# Altium PCB PCB1.pcbdoc (part 2 of 2)
Units mil, origin at the board's own origin, x right, y up, seen from the top; angles counter-clockwise.
Board outline 3682.38 x 4447.01 mil, 4 copper layers (Top Layer, 地层, 电源层, Bottom Layer); 74 components, 104 nets, 354 pads, 217 vias.
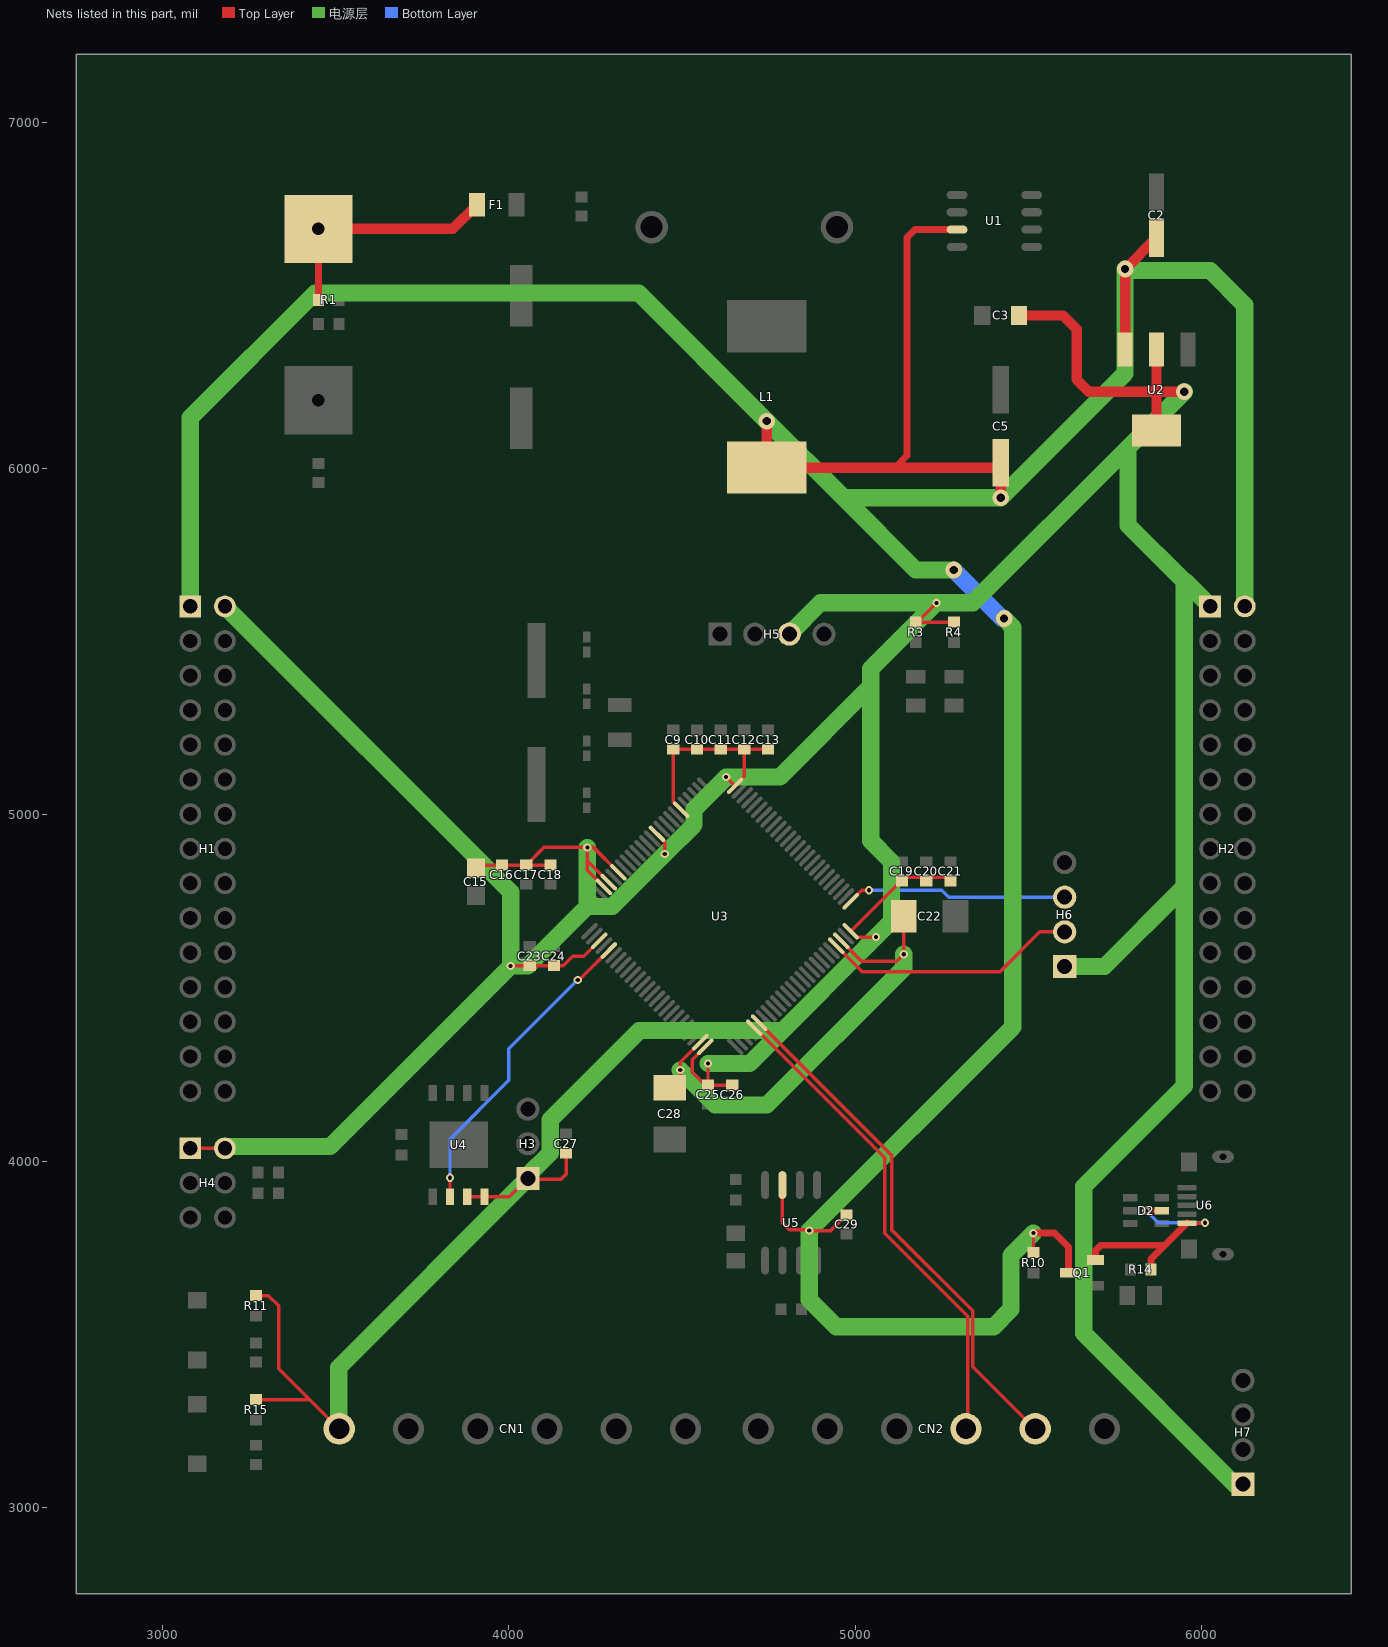
[diagram p4: the nets of this part, all layers, seen from the top]

## Via types
v1: diameter 24.02, hole 12.01, Top Layer to Bottom Layer, 207 vias
v2: diameter 48, hole 24, Top Layer to Bottom Layer, 6 vias
v3: diameter 24, hole 12, Top Layer to Bottom Layer, 3 vias
v4: diameter 36, hole 18, Top Layer to Bottom Layer, 1 vias

## Nets (pads, with @x,y where several pads share a name; then routed paths per layer and width w, separated by ;. In a path a pad name is that pad's centre, name@x,y a point inside that pad or via, vN(x,y) a via of type N, cw(c..) or ccw(c..) an arc to the next point about the centre after c; other vN are vias at no path point) (continued)
SPI1_SCK: U3.30 U4.6 | length 903.4
  Top Layer w10: U4.6@3830,3897.4 v1(3830,3952.01) ; v3(4198.8,4523.21) 4203.49,4523.21 U3.30@4288.46,4608.18
  Bottom Layer w10: v1(3830,3952.01) 3830,4063.32 4000,4233.32 4000,4324.4 v3(4198.8,4523.21)
SWCLK: H6.3 U3.76 | length 634.3
  Top Layer w10: U3.76@4987.21,4750.16 5019.07,4782.01 v1(5040,4782.01)
  Bottom Layer w10: v1(5040,4782.01) 5250,4782.01 5270,4762.01 H6.3@5600,4762.01
SWDIO: H6.2 U3.72 | length 733.3
  Top Layer w10: U3.72@4945.46,4622.11 5020.56,4547.01 5418.34,4547.01 5533.34,4662.01 H6.2@5600,4662.01
USART3_RX: CN2.5 U3.56 | length 1502.8
  Top Layer w10: U3.56@4722.21,4399.92 5105,4017.13 5105,3802.01 5339.02,3567.99 5339.02,3406.56 CN2.5@5518.57,3227.01
USART3_TX: CN2.4 U3.55 | length 1417.1
  Top Layer w10: U3.55@4708.31,4385.99 5085,4009.3 5085,3792.01 5325,3552.01 5325,3233.44 CN2.4@5318.57,3227.01
VBUS: D2.5 Q1.2 R14.2 U6.1 | length 690.2
  Top Layer w10: v1(5840.24,3857.01) D2.5@5885.24,3857.01 ; U6.1@5957.64,3820.83 6008.82,3820.83 v1(6010,3822.01)
  Top Layer w20: Q1.2@5694.37,3714.41 5694.37,3741.38 5710,3757.01 5889.54,3757.01 5891.68,3754.87 ; R14.2@5854.66,3687.01 5854.66,3717.85 5891.68,3754.87 ; U6.1@5957.64,3820.83 5891.68,3754.87
  Bottom Layer w10: v1(5840.24,3857.01) 5875.24,3822.01 v1(6010,3822.01)
VCAP: C22.1 C28.1 U3.49 U3.73 | length 1382.6
  Top Layer w10: C28.1@4465,4211.76 4495,4241.76 v1(4495,4262.96) 4495,4285.77 U3.49@4552.94,4343.71 ; U3.73@4959.37,4636.02 5018.39,4577.01 5120,4577.01 v1(5140.25,4597.26) C22.1@5140.25,4707.01
  电源层 w50: v1(4495,4262.96) 4595.95,4162.01 4745,4162.01 5140.25,4557.26 v1(5140.25,4597.26)
VCC3V3: C3.1 C9.2 C10.2 C11.2 C12.2 C13.2 C15.2 C16.2 C17.2 C18.2 C19.2 C20.2 C21.2 C23.2 C24.2 C25.2 C26.2 C27.2 CN1.1 H1.2 H2.1 H3.1 H4.1 H4.2 H5.3 H6.1 H7.1 R3.1 R4.1 R11.2 R15.2 U2.2 U2.4 U3.6 U3.11 U3.19 U3.21 U3.22 U3.28 U3.50 U3.75 U3.100 U4.7 U4.8 | length 17638.2
  Top Layer w10: H4.1@3080,4037.01 H4.2@3180,4037.01 ; R11.2@3270,3611.67 3305.34,3611.67 3335,3582.01 3335,3400.58 3424.56,3311.02 ; R15.2@3284.36,3311.02 3424.56,3311.02 ; CN1.1@3508.57,3227.01 3424.56,3311.02 ; U4.7@3882.13,3896.62 4001.33,3896.62 H3.1@4054.87,3950.17 4058.03,3947.01 4150,3947.01 4165,3962.01 C27.2@4165,4022.61 ; C15.2@3905,4846.38 3913.19,4854.57 C16.2@3980,4854.57 C17.2@4050,4854.57 ; v1(4005,4563.54) 4005.91,4564.45 C23.2@4060,4564.45 C24.2@4130,4564.45 4157.44,4564.45 4185,4592.01 4216.61,4592.01 U3.28@4260.63,4636.02 ; C18.2@4120,4854.57 C17.2@4050,4854.57 ; v1@4226.63,4907.01 4242.97,4907.01 U3.19@4316.3,4833.67 ; U3.22@4274.54,4791.91 4226.63,4839.82 4226.63,4867.67 ; U3.21@4288.46,4805.83 4226.63,4867.67 ; U3.11@4427.66,4945.03 4450,4922.69 v1(4450,4887.01) ; U3.6@4497.26,5014.63 4475,5036.89 C9.2@4475,5189.45 C10.2@4543.33,5189.45 C11.2@4611.67,5189.45 C12.2@4680,5189.45 ; U3.50@4566.85,4329.79 4530,4292.94 4530,4257.01 4567.44,4219.57 C25.2@4575,4219.57 ; v1(4575,4282.01) C25.2@4575,4219.57 ; v1(4627.41,5109.05) 4652.24,5084.22 U3.100@4653.15,5084.22 4680,5111.07 C12.2@4680,5189.45 ; C26.2@4645,4219.57 C25.2@4575,4219.57 ; C13.2@4748.33,5189.45 C12.2@4680,5189.45 ; v1(5060,4647.01) 5004.07,4647.01 U3.75@4987.21,4663.86 5135,4811.64 5135,4819.45 C21.2@5275,4819.45 ; R3.1@5175,5556.67 R3.1@5184.66,5556.67 ; v1(5235,5612.01) 5184.66,5561.67 R3.1@5184.66,5556.67 ; R4.1@5285,5556.67 R3.1@5184.66,5556.67 ; C17.2@4050,4854.57 4101.3,4905.87 v1(4226.63,4905.87) 4226.63,4867.67
  Top Layer w30: C3.1@5473.15,6442.01 5599.87,6442.01 5640,6401.88 5640,6257.01 5675,6222.01 5864.77,6222.01 ; U2.4@5870,6110.08 5870,6222.01 ; U2.2@5870,6343.93 5870,6227.24 5864.77,6222.01 ; v2(5950,6222.01) 5870,6222.01 ; 5864.77,6222.01 5870,6222.01
  电源层 w50: H4.2@3175,4042.01 3483.47,4042.01 v1(4005,4563.54) ; H1.2@3180,5602.01 4005,4777.01 v1(4005,4563.54) ; CN1.1@3508.57,3227.01 3508.57,3403.87 H3.1@4054.87,3950.17 4054.87,3959.02 4119.32,4023.47 4119.32,4119.61 4376.71,4377.01 4790,4377.01 ; v1(4226.63,4905.87) 4226.63,4735.38 ; v1(4575,4282.01) 4695,4282.01 4790,4377.01 ; H5.3@4810,5522.01 4900,5612.01 v1(5235,5612.01) ; H6.1@5600,4562.01 5720,4562.01 5945.98,4787.98 5950,4787.98 ; v2(5950,6222.01) 5787.83,6059.84 ; H2.1@6025,5602.01 5952.68,5674.33 5950,5674.33 ; H7.1@6120,3067.01 6095.41,3067.01 5659.81,3502.6 5659.81,3926.82 5950,4217.01 5950,4787.98 ; v1(4005,4563.54) 4054.8,4563.54 4226.63,4735.38 ; 4226.63,4735.38 4298.37,4735.38 v1(4450,4887.01) 4534.81,4971.82 4534.81,5016.46 v1(4627.41,5109.05) 4782.04,5109.05 5045,5372.01 ; 4790,4377.01 5028.38,4615.39 5028.38,4615.64 5105,4692.25 5105,4864.9 5045,4924.9 5045,5372.01 ; 5045,5372.01 5045,5422.01 v1(5235,5612.01) ; v1(5235,5612.01) 5340,5612.01 5787.83,6059.84 ; 5787.83,6059.84 5787.83,5836.5 5950,5674.33 ; 5950,4787.98 5950,5674.33
VCC5V: C2.1 C5.1 C29.2 H1.1 H2.2 L1.1 Q1.3 R10.2 U1.3 U2.3 U5.3 | length 11715.5
  Top Layer w10: U5.3@4790,3931.16 4790,3822.01 4810,3802.01 4865,3802.01 v1(4867.44,3799.57) 4930,3799.57 C29.2@4975,3844.57 ; R10.2@5515,3736.67 v1@5515,3791.7
  Top Layer w20: 5115,6002.01 5150,6037.01 5150,6667.01 5172.96,6689.97 U1.3@5294.17,6689.97 ; v1(5514.69,3792.01) 5575,3792.01 5615.63,3751.38 Q1.3@5615.63,3677.01
  Top Layer w30: v2(4745,6137.01) L1.1@4745,6003.15 4746.14,6002.01 5115,6002.01 C5.1@5400,6002.01 ; C5.1@5417.44,6019.45 C5.1@5420,6022.01 ; v2(5420,5915.35) C5.1@5420,6016.89 ; U2.3@5779.45,6343.93 v2(5779.45,6576.08) C2.1@5870,6666.63
  电源层 w50: H1.1@3080,5602.01 3080,6147.01 3440,6507.01 4375,6507.01 v2(4745,6137.01) 4966.65,5915.35 ; v2(5285,5707.01) 5175,5707.01 4966.65,5915.35 ; v2(5430,5567.01) 5455,5542.01 5455,4387.13 v1(4867.44,3799.57) 4867.44,3599.57 4945,3522.01 5399.81,3522.01 5449.81,3572.01 5449.81,3727.13 v1(5514.69,3792.01) ; H2.2@6125,5602.01 6125,6472.01 6025,6572.01 5783.53,6572.01 v2(5779.45,6576.08) 5779.45,6274.81 v2(5420,5915.35) 4966.65,5915.35
  Bottom Layer w50: v2(5285,5707.01) 5425,5567.01 v2(5430,5567.01)
VIN12V: F1.1 pad.1 R1.1 | length 692.2
  Top Layer w20: R1.1@3450,6482.35 R1.1@3450.34,6482.01 ; R1.1@3450,6487.35 pad.1@3450,6692.01
  Top Layer w30: pad.1@3450,6692.01 3838.11,6692.01 F1.1@3908.11,6762.01
pads on no net: U4.9 U5.5

## Polygon pours and split planes (outlines as drawn)
PGND on 地层 (solid, remove dead copper): 3027.77,6947.01 3027.77,6013.24 3728.77,6013.24 3930,5812.01 5630,5812.01 5630,6947.01
GND on 地层 (solid, remove dead copper): 6182.38,6937.01 6177.38,3005 3032.77,3000 3032.77,5957.01 3695,5957.01 3915,5737.01 5700,5737.01 5700,6937.01

## Keep-outs
Board Outline Layer:
  lines w10: 3027.77,3010 6177.38,3010 6177.38,6947.01 3027.77,6947.01 3027.77,3010

## Other copper
Top Layer:
  drawing of 395 lines, arcs and shapes, not listed
电源层:
  region net VCC3V3: 3483.57,3287.56 3533.57,3289.7 3533.67,3285.56 3534,3281.29 3534.6,3277 3535.5,3272.76 3536.75,3268.65 3538.39,3264.77 3540.46,3261.19 3541.67,3259.55 3543,3258.01 3475.12,3255.87 3476.34,3257.47 3477.44,3259.17 3479.32,3262.8 3480.8,3266.7 3481.91,3270.79 3482.7,3275 3483.21,3279.24 3483.49,3283.46
  region net VCC3V3: 5713.46,4587.01 5713.46,4537.01 ccw(c5713.46,4200.51) 5638.46,4528.54 5638.46,4595.47 ccw(c5713.46,4923.51)
  region net VCC3V3: 4019.52,3879.45 3984.16,3914.81 ccw(c3887.19,4011.78) 4021.41,3983.63 4088.34,3916.7 ccw(c4116.49,3782.48)
  region net VCC3V3: 4824.54,5571.9 4859.89,5536.55 4858.36,5535.13 4856.85,5533.94 4853.94,5532.11 4848.83,5529.5 4846.77,5528.11 4845.89,5527.27 4845.12,5526.26 4844.49,5525.06 4843.98,5523.63 4843.61,5521.93 4843.4,5519.91 4807.9,5555.41 4809.92,5555.62 4811.62,5555.99 4813.05,5556.49 4814.25,5557.13 4815.26,5557.9 4816.11,5558.77 4817.49,5560.84 4820.1,5565.95 4821.93,5568.86 4823.12,5570.37
  region net VCC3V3: 3212.8,4067.01 3222.81,4017.01 3219.71,4016.91 3216.9,4016.64 3214.34,4016.22 3211.98,4015.66 3207.74,4014.23 3203.83,4012.5 3199.94,4010.64 3195.73,4008.82 3190.86,4007.19 3188.08,4006.5 3185.02,4005.91 3175,4068.1 3179.33,4068.57 3183.98,4068.68 3188.86,4068.54 3193.84,4068.22 3203.73,4067.43 3208.42,4067.13
  region net VCC3V3: 5954.29,5637.36 5989.64,5672.72 ccw(c6098.32,5781.39) 6056.5,5633.5 5993.5,5570.51 ccw(c5845.61,5528.69)
  region net VCC5V: 6100,5639.8 6150,5639.8 6150.28,5632.79 6151.02,5626.07 6152.06,5619.8 6153.25,5614.19 6155.48,5605.68 6156.5,5602.01 6093.5,5602.01 6094.52,5605.68 6096.75,5614.19 6097.94,5619.8 6098.98,5626.07 6099.72,5632.79
  region net VCC5V: 3055,5708.5 3105,5708.5 ccw(c3541.21,5708.5) 3111.5,5633.5 3048.5,5633.5 ccw(c2618.79,5708.5)
  region net VCC3V3: 3224.4,5592.96 3189.05,5557.6 3183.89,5562.36 3178.62,5566.6 3173.45,5570.29 3168.64,5573.42 3161.04,5577.86 3157.73,5579.74 3202.27,5624.28 3204.15,5620.97 3208.59,5613.37 3211.71,5608.56 3215.41,5603.39 3219.64,5598.11
  region net VCC3V3: 6036.99,3090.07 6070.78,3126.99 ccw(c6150.33,3233.05) 6150.33,3100.47 6086.54,3033.54 ccw(c5632.26,2685.33)
  region net ADC1_IN1: 3660,6342.6 3640,6342.6 3639.91,6345.25 3639.69,6347.75 3639,6352.13 3638.31,6355.35 3637.99,6357.01 3662.01,6357.01 3661.69,6355.35 3661,6352.13 3660.31,6347.75 3660.09,6345.25
  region net PA4: 4191.39,4542.01 4184.25,4562.01 4185.69,4561.9 4187.02,4561.64 4189.35,4561.1 4190.34,4561.04 4191.22,4561.25 4191.99,4561.85 4192.65,4562.94 4199.79,4546.79 4198.31,4547.03 4197.23,4546.7 4196.4,4545.96 4195.69,4544.98 4194.97,4543.93 4194.1,4542.97 4192.95,4542.28 4192.23,4542.08
  region net VCC5V: 5801.39,6597.01 5817.18,6547.01 5815.93,6547.27 5814.68,6547.99 5813.44,6549.1 5812.21,6550.53 5809.8,6554.01 5807.51,6557.84 5805.37,6561.39 5803.44,6564.06 5802.56,6564.88 5801.76,6565.24 5801.03,6565.09 5800.38,6564.33 5784.59,6599.53 5792.94,6597.8 5797.09,6597.22
  region net PC13: 4425.59,5062.01 4425.59,5082.01 4428.24,5082.09 4430.74,5082.32 4435.12,5083.01 4438.34,5083.7 4440,5084.02 4440,5060 4438.34,5060.31 4435.12,5061 4430.74,5061.69 4428.24,5061.92
  region net PE4: 4531.06,5129.33 4545.21,5143.47 4547.14,5141.66 4549.07,5140.05 4552.66,5137.44 4555.42,5135.65 4556.81,5134.7 4539.83,5117.72 4538.88,5119.12 4537.09,5121.88 4534.48,5125.47 4532.87,5127.4
  region net PD10: 5134.24,3840.36 5148.38,3826.22 5146.57,3824.29 5144.96,3822.36 5142.35,3818.77 5140.56,3816.01 5139.61,3814.61 5122.63,3831.59 5124.02,3832.55 5126.79,3834.33 5130.37,3836.94 5132.3,3838.55
  region net PE4: 3912.4,5412.01 3912.4,5392.01 3909.76,5391.92 3907.25,5391.69 3902.87,5391 3899.65,5390.31 3897.99,5390 3897.99,5414.02 3899.65,5413.7 3902.87,5413.01 3907.25,5412.32 3909.76,5412.09
  region net PE6: 3891.42,5307.01 3891.42,5287.01 3888.77,5286.92 3886.27,5286.69 3881.89,5286 3878.67,5285.31 3877.01,5285 3877.01,5309.02 3878.67,5308.7 3881.89,5308.01 3886.27,5307.32 3888.77,5307.09
  region net PC13: 4004.41,5062.01 4004.41,5042.01 4001.76,5041.92 3999.26,5041.69 3994.88,5041 3991.66,5040.31 3990,5040 3990,5064.02 3991.66,5063.7 3994.88,5063.01 3999.26,5062.32 4001.76,5062.09
  region net PA4: 4123.12,4529.27 4137.26,4515.13 4135.45,4513.19 4133.84,4511.26 4131.23,4507.68 4129.44,4504.91 4128.49,4503.52 4111.51,4520.5 4112.9,4521.45 4115.67,4523.24 4119.25,4525.85 4121.19,4527.46
  region net PD12: 5185.33,3789.55 5199.47,3775.41 5197.66,3773.48 5196.05,3771.55 5193.44,3767.96 5191.65,3765.2 5190.7,3763.8 5173.72,3780.78 5175.11,3781.73 5177.88,3783.52 5181.46,3786.13 5183.39,3787.74
  region net PD11: 5157.33,3814.69 5171.48,3800.55 5169.67,3798.62 5168.06,3796.69 5165.45,3793.1 5163.66,3790.34 5162.71,3788.94 5145.73,3805.92 5147.12,3806.87 5149.89,3808.66 5153.47,3811.27 5155.4,3812.88
  region net PD13: 5208.32,3764.2 5222.46,3750.05 5220.65,3748.12 5219.04,3746.19 5216.43,3742.6 5214.64,3739.84 5213.69,3738.45 5196.71,3755.43 5198.11,3756.38 5200.87,3758.17 5204.46,3760.78 5206.39,3762.39
  region net PD14: 5233.12,3739.27 5247.26,3725.13 5245.45,3723.19 5243.84,3721.26 5241.23,3717.68 5239.44,3714.91 5238.49,3713.52 5221.51,3730.5 5222.9,3731.45 5225.67,3733.24 5229.25,3735.85 5231.19,3737.46
  region net PD15: 5258.12,3714.27 5272.26,3700.13 5270.45,3698.19 5268.84,3696.26 5266.23,3692.68 5264.44,3689.91 5263.49,3688.52 5246.51,3705.5 5247.9,3706.45 5250.67,3708.24 5254.25,3710.85 5256.19,3712.46
  region net PD10: 5805.59,4442.01 5805.59,4462.01 5808.24,4462.09 5810.74,4462.32 5815.12,4463.01 5818.34,4463.7 5820,4464.02 5820,4440 5818.34,4440.31 5815.12,4441 5810.74,4441.69 5808.24,4441.92
  region net PD11: 5805.59,4392.01 5805.59,4412.01 5808.24,4412.09 5810.74,4412.32 5815.12,4413.01 5818.34,4413.7 5820,4414.02 5820,4390 5818.34,4390.31 5815.12,4391 5810.74,4391.69 5808.24,4391.92
  region net PD12: 5805.59,4342.01 5805.59,4362.01 5808.24,4362.09 5810.74,4362.32 5815.12,4363.01 5818.34,4363.7 5820,4364.02 5820,4340 5818.34,4340.31 5815.12,4341 5810.74,4341.69 5808.24,4341.92
  region net PD13: 5805.59,4292.01 5805.59,4312.01 5808.24,4312.09 5810.74,4312.32 5815.12,4313.01 5818.34,4313.7 5820,4314.02 5820,4290 5818.34,4290.31 5815.12,4291 5810.74,4291.69 5808.24,4291.92
  region net PD14: 5805.59,4242.01 5805.59,4262.01 5808.24,4262.09 5810.74,4262.32 5815.12,4263.01 5818.34,4263.7 5820,4264.02 5820,4240 5818.34,4240.31 5815.12,4241 5810.74,4241.69 5808.24,4241.92
  region net PD15: 5805.59,4192.01 5805.59,4212.01 5808.24,4212.09 5810.74,4212.32 5815.12,4213.01 5818.34,4213.7 5820,4214.02 5820,4190 5818.34,4190.31 5815.12,4191 5810.74,4191.69 5808.24,4191.92
  region net PB10: 4103.67,4283.93 4103.67,4303.93 4106.32,4304.01 4108.82,4304.24 4113.2,4304.93 4116.42,4305.62 4118.08,4305.94 4118.08,4281.92 4116.42,4282.23 4113.2,4282.92 4108.82,4283.61 4106.32,4283.84
  region net PB10: 3912.26,4318.89 3898.12,4304.75 3896.19,4306.56 3894.25,4308.17 3890.67,4310.78 3887.9,4312.56 3886.51,4313.52 3903.49,4330.5 3904.44,4329.1 3906.23,4326.34 3908.84,4322.75 3910.45,4320.82
  region net PE8: 4496.88,4484.75 4482.74,4498.89 4484.55,4500.82 4486.16,4502.75 4488.77,4506.34 4490.56,4509.1 4491.51,4510.5 4508.49,4493.52 4507.1,4492.56 4504.33,4490.78 4500.75,4488.17 4498.81,4486.56
  region net PE7: 4049.41,4487.01 4049.41,4467.01 4046.76,4466.92 4044.26,4466.69 4039.88,4466 4036.66,4465.31 4035,4465 4035,4489.02 4036.66,4488.7 4039.88,4488.01 4044.26,4487.32 4046.76,4487.09
  region net VCC3V3: 4913.93,5205.59 cw(c5057.87,5061.65) 5020,5261.65 5045,5372.01 5020,5422.01 cw(c4504.27,5685.96) 4913.93,5276.3
  region net VCC3V3: 4201.63,4895.73 cw(c3839.5,4895.73) 4095.57,4639.67 4130.92,4604.31 cw(c4450.96,4284.27) 4298.37,4710.38 4298.37,4760.38 cw(c4501.47,4905.87) 4251.63,4905.87
  region net VCC3V3: 4579.64,4352.01 cw(c4579.64,4148.45) 4694.29,4316.65 4790,4377.01 4815,4437.36 cw(c4629.65,4905.56) 4629.64,4402.01
  region net VCC3V3: 5964.48,5696.37 5856.2,5803.48 5818.93,5770.04 cw(c5562.87,5513.98) 5925,5513.98 5975,5466.65 cw(c6205.38,5466.65) 6007.32,5584.33
  region net VCC3V3: 5139.29,5480.94 cw(c5495.35,5124.88) 5295.36,5587.01 5235,5612.01 5124.64,5587.01 cw(c4924.64,5624.88) 5068.58,5480.94
  region net VCC3V3: 5812.83,5899.48 cw(c6316.38,5899.48) 5848.19,6084.84 5787.83,6059.84 5727.48,5964.13 cw(c5559.28,5849.48) 5762.83,5849.48
  region net VCC3V3: 5818.93,4625.59 cw(c5962.87,4481.65) 5925,4681.65 5950,4787.98 5925,4852.36 cw(c5462.87,5052.36) 5818.93,4696.3
  region net ADC1_IN1: 4125.59,4747.01 4125.59,4767.01 4128.24,4767.09 4130.74,4767.32 4135.12,4768.01 4138.34,4768.7 4140,4769.02 4140,4745 4138.34,4745.31 4135.12,4746 4130.74,4746.69 4128.24,4746.92
  region net VCC5V: 5127.01,5940.35 cw(c5127.01,6443.91) 4941.65,5975.71 4966.65,5915.35 5062.36,5855 cw(c5177.01,5686.8) 5177.01,5890.35
Bottom Layer:
  region net SWCLK: 5559.44,4757.01 5559.44,4767.01 5562.08,4767.12 5564.34,4767.46 5566.27,4768 5567.91,4768.74 5569.31,4769.65 5570.52,4770.72 5571.6,4771.94 5572.58,4773.29 5576.53,4779.73 5579.21,4783.36 5580.89,4785.22 5582.87,4787.11 5582.87,4736.91 5580.89,4738.79 5579.21,4740.66 5576.53,4744.29 5572.58,4750.73 5571.6,4752.08 5570.52,4753.3 5569.31,4754.37 5567.91,4755.28 5566.27,4756.01 5564.34,4756.56 5562.08,4756.89
  region net I2C3_SDA: 4615,5487.01 4605,5487.01 ccw(c4597.5,5469.46) 4597.5,5488.54 4622.5,5488.54 ccw(c4622.5,5469.46)
  region net I2C3_SCL: 4715,5476.45 4705,5476.45 4704.88,5479.09 4704.55,5481.35 4704.01,5483.28 4703.27,5484.92 4702.36,5486.32 4701.29,5487.53 4700.07,5488.6 4698.72,5489.59 4692.28,5493.54 4688.65,5496.22 4686.78,5497.9 4684.9,5499.87 4735.1,5499.87 4733.22,5497.9 4731.35,5496.22 4727.72,5493.54 4721.28,5489.59 4719.93,5488.6 4718.71,5487.53 4717.64,5486.32 4716.73,5484.92 4715.99,5483.28 4715.45,5481.35 4715.12,5479.09
  region net PE1: 5982.12,5397.01 5982.12,5407.01 5984.57,5407.11 5986.68,5407.43 5988.48,5407.93 5990.02,5408.61 5991.34,5409.45 5992.5,5410.44 5993.52,5411.57 5994.46,5412.83 5998.25,5418.79 6000.77,5422.16 6002.33,5423.89 6004.17,5425.63 6004.17,5378.39 6002.33,5380.13 6000.77,5381.86 5998.25,5385.22 5994.46,5391.19 5993.52,5392.44 5992.5,5393.57 5991.34,5394.56 5990.02,5395.41 5988.48,5396.09 5986.68,5396.59 5984.57,5396.9
  region net PD11: 5982.12,4397.01 5982.12,4407.01 5984.57,4407.11 5986.68,4407.43 5988.48,4407.93 5990.02,4408.61 5991.34,4409.45 5992.5,4410.44 5993.52,4411.57 5994.46,4412.83 5998.25,4418.79 6000.77,4422.16 6002.33,4423.89 6004.17,4425.63 6004.17,4378.39 6002.33,4380.13 6000.77,4381.86 5998.25,4385.22 5994.46,4391.19 5993.52,4392.44 5992.5,4393.57 5991.34,4394.56 5990.02,4395.41 5988.48,4396.09 5986.68,4396.59 5984.57,4396.9
  region net PD10: 6091.14,4428.79 6098.21,4435.86 6100.02,4434.21 6101.73,4432.94 6103.36,4432.02 6104.93,4431.41 6106.47,4431.07 6107.98,4430.96 6109.51,4431.03 6111.06,4431.25 6117.95,4432.79 6122.11,4433.39 6124.44,4433.51 6126.97,4433.44 6093.57,4400.04 6093.5,4402.56 6093.62,4404.9 6094.22,4409.06 6095.76,4415.95 6095.98,4417.5 6096.05,4419.02 6095.94,4420.54 6095.6,4422.08 6094.99,4423.65 6094.07,4425.28 6092.8,4426.98
  region net PD13: 5982.12,4297.01 5982.12,4307.01 5984.57,4307.11 5986.68,4307.43 5988.48,4307.93 5990.02,4308.61 5991.34,4309.45 5992.5,4310.44 5993.52,4311.57 5994.46,4312.83 5998.25,4318.79 6000.77,4322.16 6002.33,4323.89 6004.17,4325.63 6004.17,4278.39 6002.33,4280.13 6000.77,4281.86 5998.25,4285.22 5994.46,4291.19 5993.52,4292.44 5992.5,4293.57 5991.34,4294.56 5990.02,4295.41 5988.48,4296.09 5986.68,4296.59 5984.57,4296.9
  region net PD12: 6091.14,4328.79 6098.21,4335.86 6100.02,4334.21 6101.73,4332.94 6103.36,4332.02 6104.93,4331.41 6106.47,4331.07 6107.98,4330.96 6109.51,4331.03 6111.06,4331.25 6117.95,4332.79 6122.11,4333.39 6124.44,4333.51 6126.97,4333.44 6093.57,4300.04 6093.5,4302.56 6093.62,4304.9 6094.22,4309.06 6095.76,4315.95 6095.98,4317.5 6096.05,4319.02 6095.94,4320.54 6095.6,4322.08 6094.99,4323.65 6094.07,4325.28 6092.8,4326.98
  region net PD15: 5982.12,4197.01 5982.12,4207.01 5984.57,4207.11 5986.68,4207.43 5988.48,4207.93 5990.02,4208.61 5991.34,4209.45 5992.5,4210.44 5993.52,4211.57 5994.46,4212.83 5998.25,4218.79 6000.77,4222.16 6002.33,4223.89 6004.17,4225.63 6004.17,4178.39 6002.33,4180.13 6000.77,4181.86 5998.25,4185.22 5994.46,4191.19 5993.52,4192.44 5992.5,4193.57 5991.34,4194.56 5990.02,4195.41 5988.48,4196.09 5986.68,4196.59 5984.57,4196.9
  region net PD14: 6091.14,4228.79 6098.21,4235.86 6100.02,4234.21 6101.73,4232.94 6103.36,4232.02 6104.93,4231.41 6106.47,4231.07 6107.98,4230.96 6109.51,4231.03 6111.06,4231.25 6117.95,4232.79 6122.11,4233.39 6124.44,4233.51 6126.97,4233.44 6093.57,4200.04 6093.5,4202.56 6093.62,4204.9 6094.22,4209.06 6095.76,4215.95 6095.98,4217.5 6096.05,4219.02 6095.94,4220.54 6095.6,4222.08 6094.99,4223.65 6094.07,4225.28 6092.8,4226.98
  region net PE2: 3222.88,5507.01 3222.88,5497.01 3220.43,5496.9 3218.32,5496.59 3216.52,5496.09 3214.98,5495.41 3213.66,5494.56 3212.5,5493.57 3211.48,5492.44 3210.54,5491.19 3206.75,5485.22 3204.23,5481.86 3202.67,5480.13 3200.83,5478.39 3200.83,5525.63 3202.67,5523.89 3204.23,5522.16 3206.75,5518.79 3210.54,5512.83 3211.48,5511.57 3212.5,5510.44 3213.66,5509.45 3214.98,5508.61 3216.52,5507.93 3218.32,5507.43 3220.43,5507.11
  region net PE3: 3106.79,5435.86 3113.86,5428.79 3112.2,5426.98 3110.93,5425.28 3110.01,5423.65 3109.4,5422.08 3109.06,5420.54 3108.95,5419.02 3109.02,5417.5 3109.24,5415.95 3110.78,5409.06 3111.38,5404.9 3111.5,5402.56 3111.43,5400.04 3078.03,5433.44 3080.56,5433.51 3082.89,5433.39 3087.05,5432.79 3093.94,5431.25 3095.49,5431.03 3097.02,5430.96 3098.53,5431.07 3100.07,5431.41 3101.64,5432.02 3103.27,5432.94 3104.98,5434.21
  region net PE4: 3222.88,5407.01 3222.88,5397.01 3220.43,5396.9 3218.32,5396.59 3216.52,5396.09 3214.98,5395.41 3213.66,5394.56 3212.5,5393.57 3211.48,5392.44 3210.54,5391.19 3206.75,5385.22 3204.23,5381.86 3202.67,5380.13 3200.83,5378.39 3200.83,5425.63 3202.67,5423.89 3204.23,5422.16 3206.75,5418.79 3210.54,5412.83 3211.48,5411.57 3212.5,5410.44 3213.66,5409.45 3214.98,5408.61 3216.52,5407.93 3218.32,5407.43 3220.43,5407.11
  region net PE5: 3106.79,5335.86 3113.86,5328.79 3112.2,5326.98 3110.93,5325.28 3110.01,5323.65 3109.4,5322.08 3109.06,5320.54 3108.95,5319.02 3109.02,5317.5 3109.24,5315.95 3110.78,5309.06 3111.38,5304.9 3111.5,5302.56 3111.43,5300.04 3078.03,5333.44 3080.56,5333.51 3082.89,5333.39 3087.05,5332.79 3093.94,5331.25 3095.49,5331.03 3097.02,5330.96 3098.53,5331.07 3100.07,5331.41 3101.64,5332.02 3103.27,5332.94 3104.98,5334.21
  region net PE6: 3222.88,5307.01 3222.88,5297.01 3220.43,5296.9 3218.32,5296.59 3216.52,5296.09 3214.98,5295.41 3213.66,5294.56 3212.5,5293.57 3211.48,5292.44 3210.54,5291.19 3206.75,5285.22 3204.23,5281.86 3202.67,5280.13 3200.83,5278.39 3200.83,5325.63 3202.67,5323.89 3204.23,5322.16 3206.75,5318.79 3210.54,5312.83 3211.48,5311.57 3212.5,5310.44 3213.66,5309.45 3214.98,5308.61 3216.52,5307.93 3218.32,5307.43 3220.43,5307.11
  region net PC1: 3222.88,5207.01 3222.88,5197.01 3220.43,5196.9 3218.32,5196.59 3216.52,5196.09 3214.98,5195.41 3213.66,5194.56 3212.5,5193.57 3211.48,5192.44 3210.54,5191.19 3206.75,5185.22 3204.23,5181.86 3202.67,5180.13 3200.83,5178.39 3200.83,5225.63 3202.67,5223.89 3204.23,5222.16 3206.75,5218.79 3210.54,5212.83 3211.48,5211.57 3212.5,5210.44 3213.66,5209.45 3214.98,5208.61 3216.52,5207.93 3218.32,5207.43 3220.43,5207.11
  region net PC2: 3106.79,5135.86 3113.86,5128.79 3112.2,5126.98 3110.93,5125.28 3110.01,5123.65 3109.4,5122.08 3109.06,5120.54 3108.95,5119.02 3109.02,5117.5 3109.24,5115.95 3110.78,5109.06 3111.38,5104.9 3111.5,5102.56 3111.43,5100.04 3078.03,5133.44 3080.56,5133.51 3082.89,5133.39 3087.05,5132.79 3093.94,5131.25 3095.49,5131.03 3097.02,5130.96 3098.53,5131.07 3100.07,5131.41 3101.64,5132.02 3103.27,5132.94 3104.98,5134.21
  region net PC3: 3222.88,5107.01 3222.88,5097.01 3220.43,5096.9 3218.32,5096.59 3216.52,5096.09 3214.98,5095.41 3213.66,5094.56 3212.5,5093.57 3211.48,5092.44 3210.54,5091.19 3206.75,5085.22 3204.23,5081.86 3202.67,5080.13 3200.83,5078.39 3200.83,5125.63 3202.67,5123.89 3204.23,5122.16 3206.75,5118.79 3210.54,5112.83 3211.48,5111.57 3212.5,5110.44 3213.66,5109.45 3214.98,5108.61 3216.52,5107.93 3218.32,5107.43 3220.43,5107.11
  region net PC13: 3106.79,5035.86 3113.86,5028.79 3112.2,5026.98 3110.93,5025.28 3110.01,5023.65 3109.4,5022.08 3109.06,5020.54 3108.95,5019.02 3109.02,5017.5 3109.24,5015.95 3110.78,5009.06 3111.38,5004.9 3111.5,5002.56 3111.43,5000.04 3078.03,5033.44 3080.56,5033.51 3082.89,5033.39 3087.05,5032.79 3093.94,5031.25 3095.49,5031.03 3097.02,5030.96 3098.53,5031.07 3100.07,5031.41 3101.64,5032.02 3103.27,5032.94 3104.98,5034.21
  region net OTG_FS_ID/USART1_RX: 6084.25,3295.69 6091.32,3302.76 6093.27,3300.97 6095.1,3299.61 6096.85,3298.63 6098.53,3297.99 6100.16,3297.64 6101.78,3297.54 6103.4,3297.65 6105.05,3297.91 6112.4,3299.66 6116.86,3300.34 6119.37,3300.47 6122.1,3300.41 6086.6,3264.91 6086.54,3267.64 6086.67,3270.15 6087.34,3274.61 6089.1,3281.96 6089.36,3283.61 6089.46,3285.23 6089.36,3286.84 6089.01,3288.48 6088.37,3290.16 6087.4,3291.9 6086.04,3293.74
  region net SPI1_MOSI: 3775,3968.36 3785,3968.36 3785.09,3967.22 3785.34,3966.08 3786.25,3963.87 3787.53,3961.8 3789.01,3959.95 3770.99,3959.95 3772.47,3961.8 3773.75,3963.87 3774.66,3966.08 3774.91,3967.22
  region net SPI1_SCK: 4190.79,4508.12 4183.72,4515.19 4184.45,4516.06 4185.08,4517.04 4186,4519.24 4186.56,4521.61 4186.83,4523.96 4199.55,4511.23 4197.21,4510.96 4194.84,4510.4 4192.63,4509.48 4191.65,4508.86
  region net SPI1_SCK: 3825,3968.36 3835,3968.36 3835.09,3967.22 3835.34,3966.08 3836.25,3963.87 3837.53,3961.8 3839.01,3959.95 3820.99,3959.95 3822.47,3961.8 3823.75,3963.87 3824.66,3966.08 3824.91,3967.22
  region net BOOT0: 4675,4920.67 4665,4920.67 4664.91,4921.81 4664.66,4922.94 4663.75,4925.15 4662.47,4927.23 4661,4929.07 4679,4929.07 4677.53,4927.23 4676.25,4925.15 4675.34,4922.94 4675.09,4921.81
  region net BOOT1: 4108.65,4242.01 4108.65,4252.01 4109.79,4252.1 4110.92,4252.35 4113.14,4253.26 4115.21,4254.54 4117.06,4256.01 4117.06,4238 4115.21,4239.47 4113.14,4240.76 4110.92,4241.66 4109.79,4241.92
  region net BOOT0: 3411.35,3972.01 3411.35,3962.01 3410.21,3961.92 3409.08,3961.66 3406.86,3960.76 3404.79,3959.47 3402.94,3958 3402.94,3976.01 3404.79,3974.54 3406.86,3973.26 3409.08,3972.35 3410.21,3972.1
  region net BOOT1: 3400,3885.14 3390,3885.14 3389.91,3886.27 3389.66,3887.41 3388.75,3889.62 3387.47,3891.7 3385.99,3893.54 3404.01,3893.54 3402.53,3891.7 3401.25,3889.62 3400.34,3887.41 3400.09,3886.27
  region net SWCLK: 5056.35,4787.01 5056.35,4777.01 5055.21,4776.92 5054.08,4776.66 5051.86,4775.76 5049.79,4774.47 5047.94,4773 5047.94,4791.01 5049.79,4789.54 5051.86,4788.26 5054.08,4787.35 5055.21,4787.1
  region net OTG_FS_ID/USART1_RX: 5565,3880.66 5555,3880.66 5554.91,3881.8 5554.66,3882.93 5553.75,3885.15 5552.47,3887.22 5550.99,3889.07 5569.01,3889.07 5567.53,3887.22 5566.25,3885.15 5565.34,3882.93 5565.09,3881.8
  region net OTG_FS_ID/USART1_RX: 5575.9,3902.6 5576.78,3892.6 5575.64,3892.5 5574.5,3892.24 5572.26,3891.29 5570.18,3889.94 5568.38,3888.4 5567.49,3906.39 5569.38,3905 5571.44,3903.78 5573.63,3902.92 5574.76,3902.68
  region net RESET: 4291.91,4957.01 4291.91,4967.01 4292.91,4967.1 4293.68,4967.35 4294.27,4967.75 4294.77,4968.26 4295.72,4969.54 4297.06,4971.01 4297.06,4953 4295.72,4954.47 4294.77,4955.76 4294.27,4956.27 4293.68,4956.66 4292.91,4956.92
  region net VCC5V: 5382.77,5573.89 5430.46,5596.9 5433.77,5593.86 5436.91,5591.42 5443.9,5586.57 5407.23,5574.59 5407.34,5575.54 5406.95,5576.13 5406.12,5576.4 5404.9,5576.42 5401.58,5575.85 5397.46,5574.82 5393.04,5573.72 5388.79,5572.94 5386.88,5572.79 5385.2,5572.86 5383.81,5573.21
  region net PB11: 4477.09,4301.8 4470.02,4308.87 4470.76,4309.74 4471.38,4310.72 4472.31,4312.93 4472.86,4315.3 4473.13,4317.65 4485.87,4304.91 4483.52,4304.65 4481.15,4304.09 4478.94,4303.16 4477.96,4302.54
  region net PB10: 4576.98,4416.91 4569.9,4423.98 4570.65,4424.85 4571.27,4425.83 4572.19,4428.04 4572.75,4430.41 4573.02,4432.76 4585.75,4420.02 4583.41,4419.76 4581.03,4419.2 4578.83,4418.28 4577.84,4417.65
  region net PE15: 4369.9,3545.03 4376.98,3552.1 4377.84,3551.36 4378.83,3550.74 4381.03,3549.82 4383.41,3549.26 4385.75,3548.99 4373.02,3536.26 4372.75,3538.6 4372.19,3540.97 4371.27,3543.18 4370.65,3544.16
  region net PE14: 4348.69,3518.82 4355.76,3525.89 4356.63,3525.15 4357.61,3524.53 4359.82,3523.6 4362.19,3523.04 4364.54,3522.78 4351.8,3510.04 4351.54,3512.39 4350.98,3514.76 4350.05,3516.97 4349.43,3517.95
  region net PE13: 4327.48,3492.61 4334.55,3499.68 4335.42,3498.94 4336.4,3498.31 4338.61,3497.39 4340.98,3496.83 4343.33,3496.57 4330.59,3483.83 4330.32,3486.17 4329.77,3488.55 4328.84,3490.76 4328.22,3491.74
  region net PE12: 4306.26,3466.39 4313.34,3473.46 4314.2,3472.72 4315.19,3472.1 4317.39,3471.18 4319.77,3470.62 4322.11,3470.35 4309.38,3457.62 4309.11,3459.96 4308.55,3462.33 4307.63,3464.54 4307.01,3465.52
  region net PE11: 4287.55,3437.68 4294.62,3444.75 4295.49,3444.01 4296.47,3443.39 4298.68,3442.46 4301.05,3441.9 4303.4,3441.64 4290.66,3428.9 4290.4,3431.25 4289.84,3433.62 4288.91,3435.83 4288.29,3436.81
  region net HALL_0: 4188.18,4330.9 4181.1,4323.83 4180.24,4324.57 4179.25,4325.19 4177.05,4326.12 4174.67,4326.68 4172.33,4326.94 4185.06,4339.68 4185.33,4337.33 4185.89,4334.96 4186.81,4332.75 4187.43,4331.77
  region net HALL_1: 4491.35,4562.01 4491.35,4552.01 4490.21,4551.92 4489.08,4551.66 4486.86,4550.76 4484.79,4549.47 4482.94,4548 4482.94,4566.01 4484.79,4564.54 4486.86,4563.26 4489.08,4562.35 4490.21,4562.1
  region net ADC1_IN1: 4336.64,4702.01 4336.64,4712.01 4337.78,4712.1 4338.92,4712.35 4341.13,4713.26 4343.2,4714.54 4345.05,4716.01 4345.05,4698 4343.2,4699.47 4341.13,4700.76 4338.92,4701.66 4337.78,4701.92
  region net PC3: 4428.65,4717.01 4428.65,4727.01 4429.79,4727.1 4430.92,4727.35 4433.14,4728.26 4435.21,4729.54 4437.06,4731.01 4437.06,4713 4435.21,4714.47 4433.14,4715.76 4430.92,4716.66 4429.79,4716.92
  region net PC1: 4490,4753.36 4500,4753.36 4500.09,4752.22 4500.34,4751.08 4501.25,4748.87 4502.53,4746.8 4504.01,4744.95 4485.99,4744.95 4487.47,4746.8 4488.75,4748.87 4489.66,4751.08 4489.91,4752.22
  region net PE2: 4571.28,5136.84 4578.35,5143.91 4579.22,5143.17 4580.2,5142.55 4582.41,5141.62 4584.78,5141.07 4587.12,5140.8 4574.39,5128.06 4574.12,5130.41 4573.56,5132.78 4572.64,5134.99 4572.02,5135.97
  region net PE5: 4564.9,4850.03 4571.98,4857.1 4572.84,4856.36 4573.83,4855.74 4576.03,4854.82 4578.41,4854.26 4580.75,4853.99 4568.02,4841.26 4567.75,4843.6 4567.19,4845.97 4566.27,4848.18 4565.65,4849.16
  region net PE3: 4619.9,4895.03 4626.98,4902.1 4627.84,4901.36 4628.83,4900.74 4631.03,4899.82 4633.41,4899.26 4635.75,4898.99 4623.02,4886.26 4622.75,4888.6 4622.19,4890.97 4621.27,4893.18 4620.65,4894.16
  region net ADC1_IN1: 4155.1,4748.98 4148.02,4741.91 4147.16,4742.65 4146.17,4743.28 4143.97,4744.2 4141.59,4744.76 4139.25,4745.02 4151.98,4757.76 4152.25,4755.41 4152.81,4753.04 4153.73,4750.83 4154.35,4749.85
  region net PE4: 3881.64,5397.01 3881.64,5407.01 3882.78,5407.1 3883.92,5407.35 3886.13,5408.26 3888.2,5409.54 3890.05,5411.01 3890.05,5393 3888.2,5394.47 3886.13,5395.76 3883.92,5396.66 3882.78,5396.92
  region net PE6: 3857.63,5297.01 3865.13,5307.01 3867.19,5307.14 3869.38,5307.48 3873.54,5308.5 3866.04,5292.13 3865.44,5293.15 3864.63,5294.09 3863.64,5294.92 3862.53,5295.64 3861.33,5296.21 3860.08,5296.65 3858.84,5296.91
  region net PC13: 3973.65,5047.01 3973.65,5057.01 3974.79,5057.1 3975.92,5057.35 3978.14,5058.26 3980.21,5059.54 3982.06,5061.01 3982.06,5043 3980.21,5044.47 3978.14,5045.76 3975.92,5046.66 3974.79,5046.92
  region net PE1: 5761.35,5372.01 5761.35,5362.01 5760.21,5361.92 5759.08,5361.66 5756.86,5360.76 5754.79,5359.47 5752.94,5358 5752.94,5376.01 5754.79,5374.54 5756.86,5373.26 5759.08,5372.35 5760.21,5372.1
  region net PC6: 5271.98,3656.91 5264.9,3663.98 5265.65,3664.85 5266.27,3665.83 5267.19,3668.04 5267.75,3670.41 5268.02,3672.76 5280.75,3660.02 5278.41,3659.76 5276.03,3659.2 5273.83,3658.28 5272.84,3657.65
  region net PC7: 5296.98,3631.91 5289.9,3638.98 5290.65,3639.85 5291.27,3640.83 5292.19,3643.04 5292.75,3645.41 5293.02,3647.76 5305.75,3635.02 5303.41,3634.76 5301.03,3634.2 5298.83,3633.28 5297.84,3632.65
  region net OTG_FS_EN: 5346.35,3627.01 5346.35,3617.01 5345.21,3616.92 5344.08,3616.66 5341.86,3615.76 5339.79,3614.47 5337.94,3613 5337.94,3631.01 5339.79,3629.54 5341.86,3628.26 5344.08,3627.35 5345.21,3627.1
  region net PD10: 5836.35,4457.01 5836.35,4447.01 5835.21,4446.92 5834.08,4446.66 5831.86,4445.76 5829.79,4444.47 5827.94,4443 5827.94,4461.01 5829.79,4459.54 5831.86,4458.26 5834.08,4457.35 5835.21,4457.1
  region net PD11: 5836.35,4407.01 5836.35,4397.01 5835.21,4396.92 5834.08,4396.66 5831.86,4395.76 5829.79,4394.47 5827.94,4393 5827.94,4411.01 5829.79,4409.54 5831.86,4408.26 5834.08,4407.35 5835.21,4407.1
  region net PD12: 5836.35,4357.01 5836.35,4347.01 5835.21,4346.92 5834.08,4346.66 5831.86,4345.76 5829.79,4344.47 5827.94,4343 5827.94,4361.01 5829.79,4359.54 5831.86,4358.26 5834.08,4357.35 5835.21,4357.1
  region net PD13: 5836.35,4307.01 5836.35,4297.01 5835.21,4296.92 5834.08,4296.66 5831.86,4295.76 5829.79,4294.47 5827.94,4293 5827.94,4311.01 5829.79,4309.54 5831.86,4308.26 5834.08,4307.35 5835.21,4307.1
  region net PD14: 5836.35,4257.01 5836.35,4247.01 5835.21,4246.92 5834.08,4246.66 5831.86,4245.76 5829.79,4244.47 5827.94,4243 5827.94,4261.01 5829.79,4259.54 5831.86,4258.26 5834.08,4257.35 5835.21,4257.1
  region net PD15: 5836.35,4207.01 5836.35,4197.01 5835.21,4196.92 5834.08,4196.66 5831.86,4195.76 5829.79,4194.47 5827.94,4193 5827.94,4211.01 5829.79,4209.54 5831.86,4208.26 5834.08,4207.35 5835.21,4207.1
  region net PB10: 4113.08,4310.28 4123.08,4310.28 4123.17,4309.14 4123.42,4308 4124.33,4305.79 4125.62,4303.72 4127.09,4301.87 4109.07,4301.87 4110.55,4303.72 4111.83,4305.79 4112.74,4308 4112.99,4309.14
  region net PB14: 3687.56,3688.22 3687.56,3678.22 3686.42,3678.13 3685.29,3677.88 3683.07,3676.97 3681,3675.69 3679.16,3674.22 3679.16,3692.23 3681,3690.76 3683.07,3689.47 3685.29,3688.57 3686.42,3688.31
  region net PE14: 3560.67,3604.49 3561.93,3589.08 3559.8,3591.11 3558.72,3591.96 3557.63,3592.62 3556.53,3593.04 3555.41,3593.14 3554.28,3592.86 3553.12,3592.16 3554.15,3609.85 3555.99,3608.16 3557.39,3607.16 3558.81,3606.16
  region net PE13: 3515.97,3599.38 3513.64,3587.57 3512.75,3588.32 3511.68,3588.98 3509.21,3589.96 3507.91,3590.24 3506.61,3590.37 3505.38,3590.32 3504.25,3590.07 3511.34,3606.63 3513.37,3602.8 3514.59,3600.98
  region net PE12: 3470.53,3593.45 3463.46,3586.38 3462.59,3587.12 3461.61,3587.74 3459.4,3588.67 3457.03,3589.23 3454.68,3589.49 3467.42,3602.23 3467.69,3599.88 3468.24,3597.51 3469.17,3595.3 3469.79,3594.32
  region net PE11: 3425.48,3593.45 3418.41,3586.38 3417.54,3587.12 3416.56,3587.74 3414.35,3588.67 3411.97,3589.23 3409.63,3589.49 3422.37,3602.23 3422.63,3599.88 3423.19,3597.51 3424.11,3595.3 3424.74,3594.32
  region net HALL_0: 4200,3958.36 4210,3958.36 4210.09,3957.22 4210.34,3956.08 4211.25,3953.87 4212.53,3951.8 4214.01,3949.95 4195.99,3949.95 4197.47,3951.8 4198.75,3953.87 4199.66,3956.08 4199.91,3957.22
  region net HALL_1: 4227.01,3928.36 4237.01,3928.36 4237.1,3927.22 4237.35,3926.08 4238.26,3923.87 4239.54,3921.8 4241.01,3919.95 4223,3919.95 4224.47,3921.8 4225.76,3923.87 4226.66,3926.08 4226.92,3927.22
  region net KEY_1: 3462.26,3842.01 3460.34,3832.01 3459.21,3831.93 3458.09,3831.71 3455.93,3830.91 3453.87,3829.78 3451.94,3828.49 3453.86,3846.4 3455.6,3844.78 3457.7,3843.38 3459.98,3842.39 3461.13,3842.11
  region net I2C3_SCL: 4830,4628.36 4840,4628.36 4840.09,4627.22 4840.34,4626.08 4841.25,4623.87 4842.53,4621.8 4844.01,4619.95 4825.99,4619.95 4827.47,4621.8 4828.75,4623.87 4829.66,4626.08 4829.91,4627.22
  region net I2C3_SDA: 4795,4628.36 4805,4628.36 4805.09,4627.22 4805.34,4626.08 4806.25,4623.87 4807.53,4621.8 4809.01,4619.95 4790.99,4619.95 4792.47,4621.8 4793.75,4623.87 4794.66,4626.08 4794.91,4627.22
  region net PB15: 4928.65,4037.01 4928.65,4047.01 4929.79,4047.1 4930.92,4047.35 4933.14,4048.26 4935.21,4049.54 4937.06,4051.01 4937.06,4033 4935.21,4034.47 4933.14,4035.76 4930.92,4036.66 4929.79,4036.92
  region net OTG_FS_EN: 5506.15,3617.01 5494.68,3627.01 5497.59,3627.09 5498.95,3627.26 5500.18,3627.57 5501.25,3628.06 5502.12,3628.78 5502.74,3629.77 5503.08,3631.07 5514.55,3617.61 5512.05,3617.58 5510.35,3617.37 5508.64,3617.12
  region net OTG_FS_ID/USART1_RX: 5993.65,3892.6 5993.65,3902.6 5994.79,3902.69 5995.92,3902.94 5998.14,3903.85 6000.21,3905.13 6002.06,3906.6 6002.06,3888.59 6000.21,3890.06 5998.14,3891.35 5995.92,3892.25 5994.79,3892.51
  region net PB11: 3746.35,3742.01 3746.35,3732.01 3745.21,3731.92 3744.08,3731.66 3741.86,3730.76 3739.79,3729.47 3737.94,3728 3737.94,3746.01 3739.79,3744.54 3741.86,3743.26 3744.08,3742.35 3745.21,3742.1
  region net PC6: 3665.1,3648.98 3658.02,3641.91 3657.16,3642.65 3656.17,3643.28 3653.97,3644.2 3651.59,3644.76 3649.25,3645.02 3661.98,3657.76 3662.25,3655.41 3662.81,3653.04 3663.73,3650.83 3664.35,3649.85
  region net VBUS: 5855.34,3848.98 5848.26,3841.91 5847.4,3842.65 5846.41,3843.28 5844.21,3844.2 5841.83,3844.76 5839.49,3845.02 5852.22,3857.76 5852.49,3855.41 5853.05,3853.04 5853.97,3850.83 5854.59,3849.85
  region net VBUS: 5993.65,3817.01 5993.65,3827.01 5994.79,3827.1 5995.92,3827.35 5998.14,3828.26 6000.21,3829.54 6002.06,3831.01 6002.06,3813 6000.21,3814.47 5998.14,3815.76 5995.92,3816.66 5994.79,3816.92

## Silkscreen, mask and mechanical layers (free items; w line width, h text height)
Top Silkscreen Layer:
  text "+12V" at 3085.2,6642.01 h100
  text "GND" at 3136.8,6147.01 h100
  text "3V3" at 4785,5668.71 h45 r270
  text "SDA" at 4585,5667.01 h45 r270
  text "SCL" at 4685,5667.01 h45 r270
  text "GND" at 4887.8,5667.41 h45 r270
  text "5V   3V3" at 3264.2,5572.01 h45
  text "3V3   5V" at 5719.29,5572.01 h45
  text "GND  PE2" at 3263.79,5471.74 h45
  text "PE0  GND" at 5720.38,5471.77 h45
  text "PE3  PE4" at 3263.52,5371.95 h45
  text "PE1  PB9" at 5719.97,5371.6 h45
  text "I2C3" at 4864.81,5367.07 h60
  text "PE5  PE6" at 3263.52,5272.23 h45
  text "PB7  PB8" at 5719.97,5271.84 h45
  text "PE1" at 5145.53,5252.58 h45 r270
  text "PWR" at 5254.81,5252.07 h45 r270
  text "PC0  PC1" at 3263.52,5171.96 h45
  text "PB5  PB6" at 5719.97,5172.08 h45
  text "PC2  PC3" at 3263.52,5071.69 h45
  text "PB3  PB4" at 5721.6,5072.31 h45
  text "PD6  PD7" at 5719.42,4972.62 h45
  text "PC13 PA0" at 3263.52,4971.42 h45
  text "SWD" at 5544.81,4937.07 h60
  text "PD4  PD5" at 5720.65,4872.93 h45
  text "PA2  PA3" at 3263.52,4871.22 h45
  text "GND" at 5461.22,4837.01 h45
  text "PD2  PD3" at 5720.79,4772.76 h45
  text "PA4  PE7" at 3263.52,4771.5 h45
  text "SWCLK" at 5405.85,4737.01 h45
  text "PD0  PD1" at 5719.7,4672.59 h45
  text "PE8  PB10" at 3263.52,4671.71 h45
  text "SWDIO" at 5407.62,4637.01 h45
  text "PB11 PB15" at 3263.52,4571.92 h45
  text "PC11 PC12" at 5693.38,4572.35 h45
  text "3V3" at 5461.62,4537.01 h45
  text "PB14 PC6" at 3263.52,4472.13 h45
  text "PA15 PC10" at 5693.65,4472.11 h45
  text "PC7  PE15" at 3263.52,4371.93 h45
  text "PD11 PD10" at 5693.65,4371.87 h45
  text "STM32F407VGT6" at 3855,4352.01 h60
  text "PE14 PE13" at 3263.52,4272.14 h45
  text "PD13 PD12" at 5693.38,4271.7 h45
  text "PE12 PE11" at 3263.52,4172.01 h45
  text "PD15 PD14" at 5694.6,4172.01 h45
  text "Spectro /  Motor" at 4955,4112.01 h150
  text "3V3" at 3255,4007.01 h45
  text ":wq" at 4935,3977.01 h100
  text "GND" at 4015,3827.01 h45
  text "GND" at 3255,3802.01 h45
  text "W25Q256" at 3725,3772.01 h60
  text "WP" at 4017.52,3771.77 h45
  text "BOOT0/1" at 3030,3722.01 h45
  text "3V3" at 4015.55,3717.01 h45
  text "PE5" at 3159.81,3602.07 h45 r270
  text "TJA1050T" at 4910,3572.01 h60
  text "USART1" at 5944.81,3447.07 h60
  text "3V3" at 3465,3432.01 h45
  text "HALL_0" at 3635,3432.01 h45
  text "HALL_1" at 3829.9,3432.01 h45
  text "HALL_2" at 4029.9,3432.01 h45
  text "HALL_3" at 4229.9,3432.01 h45
  text "GND" at 4471.94,3432.01 h45
  text "CAN_L" at 4650,3432.01 h45
  text "CAN_H" at 4840,3432.01 h45
  text "GND" at 5080,3432.01 h45
  text "TX" at 5295,3432.01 h45
  text "RX" at 5495,3432.01 h45
  text "GND" at 5679,3432.01 h45
  text "GND" at 5968.41,3344.51 h45
  text "RESET" at 3159.81,3302.07 h45 r270
  text "RX" at 5998.51,3234.51 h45
  text "TX" at 5998.51,3139.51 h45
  text "3V3" at 5967.11,3044.51 h45
Bottom Silkscreen Layer:
  text "Spectro" at 5020.75,5092.01 h200
  text "Motor" at 4900.45,4862.01 h200
  text ":wq" at 4748.25,4677.01 h150